# Altium PCB 20门锁控.PcbDoc (continued)
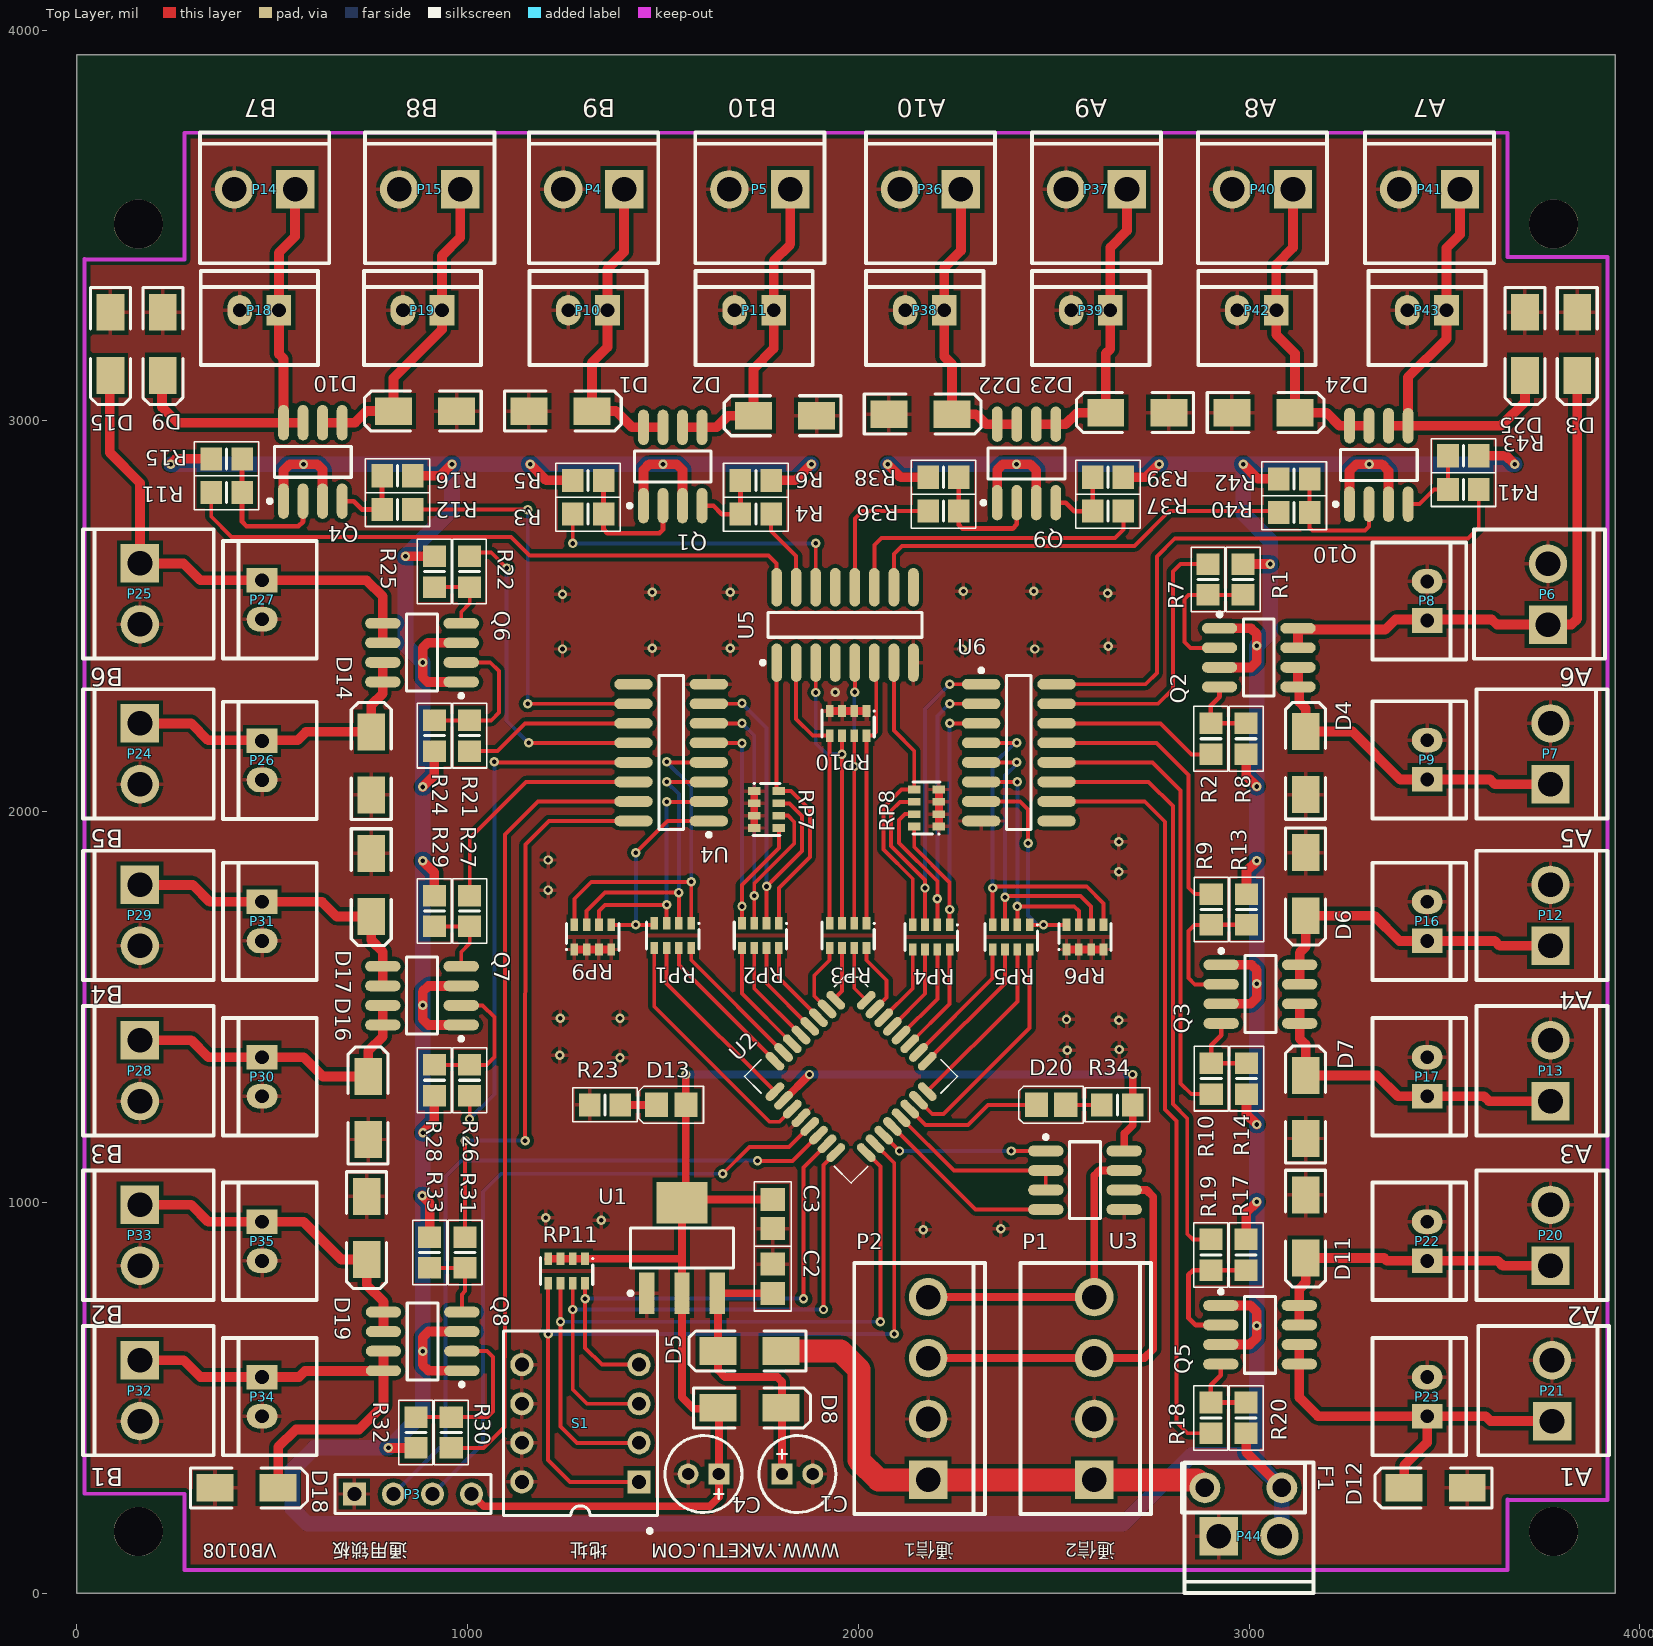
[diagram p0: Top Layer view]
## Nets (pads, with @x,y where several pads share a name; then routed paths per layer and width w, separated by ;. In a path a pad name is that pad's centre, name@x,y a point inside that pad or via, vN(x,y) a via of type N, cw(c..) or ccw(c..) an arc to the next point about the centre after c; other vN are vias at no path point)
+12V: D5.1 F1.1 P1.1 P2.1 | length 1365.9
  Top Layer w59.06: D5.1 1954.21,619.72 2001.46,572.48 2001.46,340.2 2051.85,289.8 P2.1 P1.1 2866.81,289.8 F1.1
+12V_OUT: F1.2 P44.2 Q1.1 Q1.3 Q2.1 Q2.3 Q3.1 Q3.3 Q4.1 Q4.3 Q5.1 Q5.3 Q6.1 Q6.3 Q7.1 Q7.3 Q8.1 Q8.3 Q9.1 Q9.3 Q10.1 Q10.3 R5.2 R6.2 R7.2 R8.2 R13.2 R14.2 R15.2 R16.2 R19.2 R20.2 R24.2 R25.2 R28.2 R29.2 R32.2 R33.2 R38.2 R39.2 R42.2 R43.2 | length 16498.2
  Top Layer w25: v1(240,2889.37) 253.82,2903.19 R15.2 ; Q4.1 528.82,2873.19 545,2889.37 615,2889.37 628.82,2875.55 Q4.3 ; v1(797.32,371.69) R32.2 ; v1(841,2653.74) R25.2 ; R16.2 930.51,2859.88 v1(960,2889.37) ; v1(884,1017.37) 903.03,998.34 R33.2 ; v1(885,1874.37) 914.84,1844.53 R29.2 ; v1(885,2063.37) 914.84,2093.21 R24.2 ; v1(886,1178.37) 914.84,1207.21 R28.2 ; Q7.1 900.2,1454.17 885,1469.37 885,1539.37 899.8,1554.17 Q7.3 ; Q6.1 897.24,2332.13 885,2344.37 v1(885,2381.87) 885,2419.37 897.76,2432.13 Q6.3 ; Q8.1 900,569.37 885,584.37 v1(885,619.37) 885,654.37 900,669.37 Q8.3 ; v1(1160,2889.37) 1201.3,2848.07 R5.2 ; Q1.1 1450.08,2874.45 1465,2889.37 1535,2889.37 1550.08,2874.29 Q1.3 ; R6.2 1838.7,2848.07 v1(1880,2889.37) ; v1(2075,2889.37) 2108.43,2855.94 R38.2 ; Q9.1 2355.59,2874.96 2370,2889.37 2440,2889.37 2455.59,2873.78 Q9.3 ; R39.2 2736.58,2855.94 v1(2770,2889.37) ; Q2.3 3005,2369.37 3020,2384.37 v1(3020,2424.37) 3020,2454.37 3005,2469.37 Q2.1 ; Q5.3 3001.72,636.09 3020,654.37 v1(3020,684.37) 3020,719.37 3003.28,736.09 Q5.1 ; Q3.3 3003.8,1508.17 3020,1524.37 3020,1594.37 3006.2,1608.17 Q3.1 ; R7.2 v1(3054.37,2633.74) ; v1(2985,2889.37) 3022.36,2852.01 R42.2 ; R20.2 2992.83,360.64 F1.2 ; R19.2 2992.83,974.2 v1(3020,1001.37) ; R8.2 2992.83,2091.54 v1(3020,2064.37) ; R14.2 2993.83,1225.54 v1(3020,1199.37) ; R13.2 2993.83,1848.2 v1(3020,1874.37) ; Q10.1 3257.17,2871.54 3275,2889.37 3340,2889.37 3357.17,2872.2 Q10.3 ; R43.2 3658.31,2911.06 v1(3680,2889.37)
  Bottom Layer w40: v1(240,2889.37) v1(580,2889.37) v1(960,2889.37) ; v1(1880,2889.37) v1(1500,2889.37) v1(1160,2889.37) v1(960,2889.37) ; v1(2075,2889.37) v1(2405,2889.37) v1(2985,2889.37) ; P44.2 3084.13,151.85 F1.2 3020,333.46 ; v1(3680,2889.37) v1(3307.5,2889.37) v1(2985,2889.37) ; v1(960,2889.37) 960,2772.74 v1(841,2653.74) 841,2425.87 v1(885,2381.87) v1(885,2063.37) v1(885,1874.37) v1(885,1504.37) v1(885,619.37) 885,459.37 v1(797.32,371.69) 607.91,371.69 551.18,314.96 551.18,216.54 590.55,177.17 2677.17,177.17 2854.33,354.33 2999.13,354.33 3020,333.46 ; v1(2985,2889.37) 2985,2763.03 3054.37,2693.66 v1(3054.37,2633.74) 3054.37,2458.74 v1(3020,2424.37) v1(3020,2064.37) v1(3020,1874.37) v1(3020,1559.37) v1(3020,1199.37) v1(3020,684.37) 3020,333.46
A: P1.3 P2.3 U3.6 | length 1057.4
  Top Layer w20: P2.3 P1.3 2732.24,601.61 2755,624.37 2755,1014.37 2737.64,1031.73 U3.6
ADDR1: RP11.5 S1.1 U2.18 | length 2101.6
  Top Layer w10: RP11.5 v1(1206.18,663.03) 1206.18,340.2 1261.69,284.69 S1.1 ; U2.18 2092.01,1100.5 v1(2092.01,663.03)
  Bottom Layer w10: v1(1206.18,663.03) v1(2092.01,663.03)
ADDR2: RP11.6 S1.2 U2.17 | length 1851.8
  Top Layer w10: RP11.6 v1(1237.68,694.53) 1237.68,426.81 1279.8,384.69 S1.2 ; U2.17 2056.58,1091.39 v1(2056.58,694.53)
  Bottom Layer w10: v1(1237.68,694.53) v1(2056.58,694.53)
ADDR3: RP11.7 S1.3 U2.16 | length 1512.9
  Top Layer w10: RP11.7 v1(1269.17,726.02) 1269.17,521.3 1305.79,484.69 S1.3 ; v1(1910.91,726.02) 1910.91,1096.12 U2.16
  Bottom Layer w10: v1(1269.17,726.02) v1(1910.91,726.02)
ADDR4: RP11.8 S1.4 U2.15 | length 1301.7
  Top Layer w10: RP11.8 v1(1300.67,753.58) 1300.67,627.6 1343.58,584.69 S1.4 ; v1(1859.72,753.58) 1859.72,1089.48 U2.15
  Bottom Layer w10: v1(1300.67,753.58) v1(1859.72,753.58)
B: P1.4 P2.4 U3.7 | length 818.5
  Top Layer w20: P2.4 P1.4 2603.82,1068.54 2617.01,1081.73 U3.7
GND: C1.2 C2.1 C3.2 C4.2 D1.1 D2.1 D3.1 D4.1 D6.1 D7.1 D9.1 D10.1 D11.1 D12.1 D14.1 D15.1 D16.1 D17.1 D18.1 D19.1 D22.1 D23.1 D24.1 D25.1 P1.2 P2.2 P3.1 P4.2 P5.2 P6.2 P7.2 P8.2 P9.2 P10.2 P11.2 P12.2 P13.2 P14.2 P15.2 P16.2 P17.2 P18.2 P19.2 P20.2 P21.2 P22.2 P23.2 P24.2 P25.2 P26.2 P27.2 P28.2 P29.2 P30.2 P31.2 P32.2 P33.2 P34.2 P35.2 P36.2 P37.2 P38.2 P39.2 P40.2 P41.2 P42.2 P43.2 P44.1 R23.1 RP6.1 RP6.2 RP6.3 RP6.4 RP7.1 RP7.2 RP7.3 RP7.4 RP8.1 RP8.2 RP8.3 RP8.4 RP9.1 RP9.2 RP9.3 RP9.4 RP10.1 RP10.2 RP10.3 RP10.4 S1.5 S1.6 S1.7 S1.8 U1.1 U2.12 U3.5 U4.8 U5.8 U6.8 | length 480.3
  Top Layer w10: U2.12@1853.32,1208.68 U2.12
  Top Layer w20: RP9.1 RP9.2 RP9.3 RP9.4 ; RP7.4 RP7.3 RP7.2 RP7.1 ; RP10.4 RP10.3 RP10.2 RP10.1@2020.98,2257.52 ; RP8.1 RP8.2 RP8.3 RP8.4 ; RP6.1 RP6.2 RP6.3 RP6.4
  other v1: 2166,930.37 2365,932.37 1342,954.37 1200,960.37 1390,1370.37 1236,1376.37 2535,1389.37 2668,1391.37 2667,1466.37 2533,1468.37 1237,1471.37 1390,1471.37 1206,1799.37 2667,1846.37 1206,1876.37 2667,1923.37 1941,2305.37 1243,2416.37 2266,2416.37 2452,2416.37 1473,2418.37 1672,2418.37 2640,2423.37 1243,2556.37 2638,2559.37 1473,2561.37 1672,2561.37 2269,2564.37 2449,2564.37
LC1: RP3.6 U2.1 | length 140.4
  Top Layer w10: U2.1 1942.4,1525.24 1958.15,1540.98 RP3.6
LC2: RP3.5 U2.2 | length 186
  Top Layer w10: U2.2 1887.28,1527.94 1887.28,1580.35 1926.65,1619.72 RP3.5
LC3: RP2.8 U2.3 | length 220.3
  Top Layer w10: RP2.8 1796.73,1573.95 U2.3
LC4: RP2.7 U2.4 | length 246.4
  Top Layer w10: RP2.7 1765.24,1560.9 U2.4
LC5: RP2.6 U2.5 | length 272.5
  Top Layer w10: RP2.6 1733.74,1547.85 U2.5
LC6: RP2.5 U2.6 | length 298.6
  Top Layer w10: RP2.5 1702.24,1534.81 U2.6
LC7: RP1.8 U2.7 | length 365.4
  Top Layer w10: RP1.8 1572.32,1620.19 U2.7
LC8: RP1.7 U2.8 | length 391.5
  Top Layer w10: RP1.7 1540.83,1607.14 U2.8
LC9: RP1.6 U2.9 | length 482.5
  Top Layer w10: RP1.6 1509.33,1560.69 U2.9
LC10: RP1.5 U2.11 | length 638.6
  Top Layer w10: RP1.5 1477.84,1501.61 1773.11,1206.34 1798.41,1206.34 U2.11
LC11: RP3.7 U2.32 | length 146.6
  Top Layer w10: RP3.7 1989.65,1548.07 U2.32
LC12: RP3.8 U2.31 | length 189.6
  Top Layer w10: RP3.8 2021.14,1619.72 2072.32,1568.54 2072.32,1524.79 U2.31
LC13: RP4.5 U2.30 | length 205.3
  Top Layer w10: U2.30 2139.25,1547.18 RP4.5
LC14: RP4.6 U2.29 | length 231.4
  Top Layer w10: U2.29 2170.75,1534.13 RP4.6
LC15: RP4.7 U2.28 | length 257.4
  Top Layer w10: U2.28 2202.24,1521.09 RP4.7
LC16: RP4.8 U2.27 | length 283.5
  Top Layer w10: U2.27 2233.74,1508.04 RP4.8
LC17: RP5.5 U2.26 | length 342.2
  Top Layer w10: U2.26 2343.98,1573.74 RP5.5
LC18: RP5.6 U2.25 | length 368.3
  Top Layer w10: U2.25 2375.47,1560.69 RP5.6
LC19: RP5.7 U2.24 | length 459.3
  Top Layer w10: U2.24 2406.97,1514.24 RP5.7
LC20: RP5.8 U2.23 | length 591.2
  Top Layer w10: U2.23 2189.2,1226.02 2217.99,1226.02 2438.47,1446.5 RP5.8
LC_DRV1: R3.1 U5.14 | length 836.6
  Top Layer w10: v1(1269.17,2686.65) R3.1 ; U5.14@1891.02,2546.89 v1(1891.02,2686.85)
  Bottom Layer w10: v1@1269.17,2686.85 v1(1891.02,2686.85)
LC_DRV2: R4.1 U5.15 | length 241.1
  Top Layer w10: R4.1 1777.05,2718.15 1841.02,2654.17 U5.15@1841.02,2546.89
LC_DRV3: R11.1 U5.16 | length 1618.9
  Top Layer w10: R11.1 343.98,2755.39 396,2703.37 1111,2703.37 1158.5,2655.87 1770.5,2655.87 1791.02,2635.35 U5.16
LC_DRV4: R12.1 U4.10 | length 1061.8
  Top Layer w10: R12.1 v1(1153.9,2773.27) ; v1@1154,2276.22 U4.10
  Bottom Layer w10: v1(1153.9,2276.37) v1(1153.9,2773.27)
LC_DRV5: R21.1 U4.11 | length 448.7
  Top Layer w10: R21.1 1076.26,2155.16 1147.32,2226.22 U4.11
LC_DRV6: R22.1 U4.12 | length 849.9
  Top Layer w10: R22.1@1005.39,2663.03 1060.51,2663.03 v1(1099.88,2623.66) ; v1(1156.38,2176.22) U4.12
  Bottom Layer w10: v1(1099.88,2623.66) 1099.88,2232.72 v1(1156.38,2176.22)
LC_DRV7: R26.1 U4.13 | length 1357.4
  Top Layer w10: v1(1005,1213.37) 1005.39,1213.76 R26.1 ; v1(1068.39,2127.6) 1069.76,2126.22 U4.13
  Bottom Layer w10: v1(1005,1213.37) 1068.39,1276.76 v1(1068.39,2127.6)
LC_DRV8: R27.1 U4.14 | length 625.8
  Top Layer w10: R27.1 1005.39,1931.76 1149.85,2076.22 U4.14
LC_DRV9: R30.1 U4.15 | length 2039.6
  Top Layer w10: R30.1 1040.83,371.69 1094.33,425.2 1094.33,603.13 1095.39,604.18 1095.39,1941.76 1179.85,2026.22 U4.15
LC_DRV10: R31.1 U4.16 | length 1460
  Top Layer w10: R31.1 v1(993.58,1157.99) ; v1(1147.13,1157.99) 1148.13,1916 1208.35,1976.22 U4.16
  Bottom Layer w10: v1(993.58,1157.99) v1(1147.13,1157.99)
LC_DRV11: R36.1 U5.12 | length 398.9
  Top Layer w10: U5.12@1991.02,2546.89 U5.12 1991.02,2750.39 2009.96,2769.33 R36.1
LC_DRV12: R37.1 U5.11 | length 836.8
  Top Layer w10: U5.11@2041.02,2546.89 U5.11 2041.02,2682.39 2059,2700.37 2656.91,2700.37 2678.62,2722.09 R37.1
LC_DRV13: R40.1 U5.10 | length 1144.9
  Top Layer w10: U5.10@2091.02,2546.89 2091.02,2659.39 2112,2680.37 2707,2680.37 2795.96,2769.33 R40.1@3072.32,2769.33
  Top Layer w20: R40.1@3072.32,2769.33 R40.1
LC_DRV14: R41.1 U6.16 | length 1518.5
  Top Layer w10: U6.16 2734.85,2326.22 2764,2355.37 2764,2653.37 2810,2699.37 3560,2699.37 3588.07,2727.44 R41.1
LC_DRV15: R1.1 U6.15 | length 711.5
  Top Layer w10: U6.15 2766.85,2276.22 2805,2314.37 2805,2614.37 2824.37,2633.74 R1.1
LC_DRV16: R2.1 U6.14 | length 428.5
  Top Layer w10: U6.14 2773.15,2226.22 2853.15,2146.22 2901.21,2146.22 R2.1
LC_DRV17: R9.1 U6.13 | length 725.6
  Top Layer w10: U6.13 2763.15,2176.22 2845,2094.37 2845,1805.37 2861.29,1789.08 R9.1
LC_DRV18: R10.1 U6.12 | length 1186.9
  Top Layer w10: U6.12 2753.15,2126.22 2825,2054.37 2825,1304.37 2852.1,1277.27 R10.1
LC_DRV19: R17.1 U6.11 | length 1499.7
  Top Layer w10: U6.11 2743.15,2076.22 2805,2014.37 2805,1251.37 2842,1214.37 2842,919.37 2856.18,905.19 R17.1
LC_DRV20: R18.1 U6.10 | length 1947.7
  Top Layer w10: U6.10 2733.15,2026.22 2785,1974.37 2785,1237.37 2814,1208.37 2814,438.13 2843,409.13 R18.1
LED1: D20.2 U2.22 | length 362.5
  Top Layer w10: U2.22 2172.22,1198.46 2280.98,1198.46 2332.17,1249.65 D20.2
NetC1_1: C1.1 C2.2 D5.2 D8.2 U1.3 | length 751.2
  Top Layer w20: C2.2 U1.3 1641.22,765.39 D5.2 1641.22,570.51 1658.94,552.8 1792.8,552.8 1804.61,540.98 C1.1
NetD1_2: D1.2 P4.1 P10.1 Q1.7 Q1.8 | length 800.4
  Top Layer w25: P4.1 1400.59,3432.24 1357.99,3389.65 1357.99,3292.95 1357.99,3188.86 1318.39,3149.25 D1.2 1379.41,3025.24 1420.75,2983.9 Q1.8 Q1.7
NetD2_2: D2.2 P5.1 P11.1 Q1.5 Q1.6 | length 812.3
  Top Layer w25: Q1.6 Q1.5 1637.28,2983.9 1666.81,3013.43 D2.2 1731.77,3133.5 1783.39,3185.12 1783.39,3292.95 1783.39,3409.53 1825.98,3452.13 P5.1
NetD3_2: D3.2 P6.1 P8.1 Q2.7 Q2.8 | length 1407
  Top Layer w25: Q2.7 3125.39,2466.11 3348.95,2466.11 3375,2492.17 3469.96,2492.17 3621.14,2492.17 3634.53,2478.78 P6.1 3825.08,2478.78 3840.04,2493.74 D3.2
NetD4_2: D4.2 P7.1 P9.1 Q2.5 Q2.6 | length 855
  Top Layer w25: Q2.5 3125.39,2366.11 Q2.6@3128.65,2369.37 ; Q2.5@3128.65,2319.37 3128.65,2280.72 3145,2264.37 D4.2 3264.53,2205.08 3386.89,2082.72 3469.96,2082.72 3617.21,2082.72 3629.8,2070.12 P7.1
NetD6_2: D6.2 P12.1 P16.1 Q3.7 Q3.8 | length 840.4
  Top Layer w25: Q3.7 Q3.8 3129.65,1639.02 3145,1654.37 D6.2 3320.59,1733.66 3384.92,1669.33 3469.96,1669.33 3629.02,1669.33 3641.61,1656.73 P12.1
NetD7_2: D7.2 P13.1 P17.1 Q3.5 Q3.6 | length 843.4
  Top Layer w25: Q3.6 Q3.5 3129.65,1419.72 3145,1404.37 D7.2 3327.6,1325.08 3380.98,1271.69 3469.96,1271.69 3601.46,1271.69 3614.06,1259.09 P13.1
NetD9_2: D9.2 P14.1 P18.1 Q4.7 Q4.8 | length 1190.3
  Top Layer w25: D9.2@217.99,3116.81 217.99,3035.38 257.66,2995.71 Q4.8 ; P18.1@517.21,3283.37 517.21,3170.91 ; P14.1 558.47,3472.01 517.21,3430.75 517,3430.54 P18.1 517,3171.11 517.21,3170.91 ; Q4.7 Q4.8 ; 517.21,3170.91 528.82,3159.29 Q4.8
NetD10_2: D10.2 P15.1 P19.1 Q4.5 Q4.6 | length 832.1
  Top Layer w25: Q4.6 Q4.5 712.09,2995.71 741.61,3025.24 D10.2 810.51,3109.88 934.53,3233.9 934.53,3292.95 934.53,3422.87 980.98,3469.33 P15.1
NetD11_2: D11.2 P20.1 P22.1 Q5.7 Q5.8 | length 813.6
  Top Layer w25: Q5.7 Q5.8 3128.65,778.02 3145,794.37 D11.2 3345.95,857.91 3353.43,850.43 3469.96,850.43 3636.89,850.43 3649.49,837.83 P20.1
NetD12_2: D12.2 P21.1 P23.1 Q5.5 Q5.6 | length 997.3
  Top Layer w25: Q5.6 Q5.5 3128.65,500.72 3176.58,452.8 P23.1 3456,385.37 3397.13,326.5 D12.2 ; P23.1@3473.9,452.8 3605.39,452.8 3617.99,440.2 P21.1
NetD13_2: D13.2 R23.2 | length 92.5
  Top Layer w20: R23.2 D13.2
NetD14_2: D14.2 P24.1 P26.1 Q6.7 Q6.8 | length 808.9
  Top Layer w25: P24.1 292.8,2226.02 336.1,2182.72 462.09,2182.72 564.45,2182.72 586.1,2204.37 D14.2 753.43,2273.27 782.95,2302.8 Q6.8 Q6.7
NetD15_2: D15.2 P25.1 P27.1 Q6.5 Q6.6 | length 1288.5
  Top Layer w25: D15.2@84.13,3116.81 84.13,2918.94 161.73,2841.34 161.73,2635.47 273.11,2635.47 316.42,2592.17 462.09,2592.17 741.61,2592.17 782.95,2550.83 Q6.5 Q6.6
NetD16_2: D16.2 P28.1 P30.1 Q7.7 Q7.8 | length 815.4
  Top Layer w25: P28.1@165.67,1415 292.8,1415 336.1,1371.69 466.02,1371.69 580.2,1371.69 629.41,1322.48 D16.2 745.55,1387.44 782.95,1424.84 Q7.8 Q7.7
NetD17_2: D17.2 P29.1 P31.1 Q7.5 Q7.6 | length 811.2
  Top Layer w25: P29.1@165.67,1812.64 296.73,1812.64 340.04,1769.33 462.09,1769.33 627.44,1769.33 664.84,1731.93 D17.2 753.43,1670.91 782.95,1641.38 Q7.5 Q7.6
NetD18_2: D18.2 P32.1 P34.1 Q8.7 Q8.8 | length 1186
  Top Layer w25: P32.1@165.67,596.1 273.11,596.1 316.42,552.8 568.39,552.8 583.94,568.35 Q8.8@771.14,568.35 ; D18.2 515.24,373.66 560.51,418.94 721.93,418.94 784.61,481.61 Q8.8 Q8.7
NetD19_2: D19.2 P33.1 P35.1 Q8.5 Q8.6 | length 840.5
  Top Layer w25: P33.1 292.8,993.74 336.1,950.43 580.2,950.43 676.65,853.98 D19.2 741.61,789.02 784.61,746.02 Q8.5 Q8.6
NetD20_1: D20.1 R34.1 | length 92.5
  Top Layer w10: D20.1 R34.1
NetD22_2: D22.2 P36.1 P38.1 Q9.7 Q9.8 | length 777.8
  Top Layer w25: P36.1 2262.6,3435.98 2220,3393.39 2220,3292.95 2220,3164.96 2239.65,3145.32 D22.2 2300.67,3017.36 2326.26,2991.77 Q9.8 Q9.7
NetD23_2: D23.2 P37.1 P39.1 Q9.5 Q9.6 | length 784
  Top Layer w25: Q9.6 Q9.5 2530.98,2991.77 2560.51,3021.3 D23.2 2633.35,3172.87 2645,3184.53 2645,3292.95 2645,3444.37 2687.6,3486.97 P37.1
NetD24_2: D24.2 P40.1 P42.1 Q10.7 Q10.8 | length 812.3
  Top Layer w25: P40.1 3112.6,3443.46 3070,3400.87 3070,3292.95 3070,3220.47 3117.6,3172.87 D24.2 3198.31,3021.3 3231.77,2987.83 Q10.8 Q10.7
NetD25_2: D25.2 P41.1 P43.1 Q10.5 Q10.6 | length 1102.4
  Top Layer w25: Q10.6 Q10.5 ; P41.1 3540.04,3477.2 3505.39,3442.56 3505.39,3210.28 3407.17,3112.05 Q10.5 ; D25.2 3706.18,3048.55 3645.47,2987.83 Q10.5
NetQ1_2: Q1.2 R3.2 R5.1 | length 347.4
  Top Layer w12: R5.1 R3.2 1347.91,2722.46 1358,2712.37 1491,2712.37 1500.08,2721.45 Q1.2
NetQ1_4: Q1.4 R4.2 R6.1 | length 193.8
  Top Layer w12: Q1.4 1629.41,2783.11 1651.06,2761.46 R4.2 R6.1
NetQ2_2: Q2.2 R1.2 R7.1 | length 360.2
  Top Layer w10: Q2.2 2850,2419.37 2835,2434.37 2835,2544.37 2845,2554.37 2894.37,2554.37 R1.2 R7.1
NetQ2_4: Q2.4 R2.2 R8.1 | length 193.1
  Top Layer w12: Q2.4 2924.61,2293.98 2902.28,2271.65 R2.2 R8.1
NetQ3_2: Q3.2 R9.2 R13.1 | length 366
  Top Layer w10: R9.2 2860.97,1710.34 2845,1694.37 2845,1574.37 2861.2,1558.17 Q3.2
  Top Layer w12: R9.2 R13.1
NetQ3_4: Q3.4 R10.2 R14.1 | length 203.3
  Top Layer w12: Q3.4 2928.87,1428.24 2903.28,1402.65 R10.2 R14.1
NetQ4_2: Q4.2 R11.2 R15.1 | length 379.9
  Top Layer w12: R15.1 R11.2 422.72,2741.77 434.12,2730.37 567,2730.37 578.82,2742.19 Q4.2
NetQ4_4: Q4.4 R12.2 R16.1 | length 197.7
  Top Layer w12: Q4.4 708.15,2794.92 729.8,2773.27 R12.2 R16.1
NetQ5_2: Q5.2 R17.2 R19.1 | length 381.1
  Top Layer w10: R17.2@2883.35,804.76 R17.2@2903.03,824.45
  Top Layer w12: Q5.2 2863.28,686.09 2845,704.37 2845,814.37 2857.08,826.45 R17.2 R19.1
NetQ5_4: Q5.4 R18.2 R20.1 | length 199.4
  Top Layer w12: Q5.4 2927.87,557.24 2902.28,531.65 R18.2 R20.1
NetQ6_2: Q6.2 R21.2 R24.1 | length 385.5
  Top Layer w10: R24.1 R21.2 1060.51,2233.9 1080.2,2253.58 1080.2,2359.88 1057.95,2382.13 Q6.2
NetQ6_4: Q6.4 R22.2 R25.1 | length 192.2
  Top Layer w10: R25.1 R22.2 1005.39,2575 1005.39,2532.76 983.74,2511.11 Q6.4
NetQ7_2: Q7.2 R26.2 R28.1 | length 361.2
  Top Layer w10: R28.1 R26.2 1048.7,1352.01 1068.39,1371.69 1068.39,1474.06 1038.27,1504.17 Q7.2
NetQ7_4: Q7.4 R27.2 R29.1 | length 201.7
  Top Layer w10: R29.1 R27.2 1005.39,1663.03 983.74,1641.38 Q7.4
NetQ8_2: Q8.2 R30.2 R32.1 | length 442.5
  Top Layer w10: R32.1 R30.2 1051.06,450.43 1065,464.37 1065,604.37 1050,619.37 Q8.2 ; Q8.2@971.93,618.35 Q8.2@985.39,618.35
NetQ8_4: Q8.4 R31.2 R33.1 | length 206.9
  Top Layer w10: R33.1 R31.2 993.58,772.95 985.39,764.76 Q8.4
NetQ9_2: Q9.2 R36.2 R38.1 | length 334.1
  Top Layer w12: R38.1 R36.2 2257.36,2734.01 2266.73,2724.65 2394.87,2724.65 2405.59,2735.37 Q9.2
NetQ9_4: Q9.4 R37.2 R39.1 | length 189.9
  Top Layer w12: Q9.4 2530.98,2790.98 2552.64,2769.33 R37.2 R39.1
NetQ10_2: Q10.2 R40.2 R42.1 | length 342.4
  Top Layer w10: R42.1 R40.2 3155,2726.37 3162,2719.37 3297,2719.37 3307.17,2729.54 Q10.2
NetQ10_4: Q10.4 R41.2 R43.1 | length 204.3
  Top Layer w10: Q10.4 3436.5,2787.05 3473.9,2824.45 R41.2 R43.1
NetRP1_1: RP1.1 RP9.8 U4.4 | length 930.4
  Top Layer w10: RP9.8 1273.11,1777.2 1316.42,1820.51 v1(1572.32,1820.51) RP1.1 ; v1@1510.71,2126.22 U4.4
  Bottom Layer w10: v1(1509.33,2127.6) 1572.32,2064.61 v1(1572.32,1820.51)
NetRP1_2: RP1.2 RP9.7 U4.3 | length 774.5
  Top Layer w10: RP9.7 1304.61,1745.71 1351.85,1792.95 v1(1540.83,1792.95) RP1.2 ; v1@1509.53,2076.22 U4.3
  Bottom Layer w10: v1(1509.33,2076.42) 1540.83,2044.92 v1(1540.83,1792.95)
NetRP1_3: RP1.3 RP9.6 U4.2 | length 634.9
  Top Layer w10: RP9.6 1336.1,1745.71 1351.85,1761.46 v1(1509.33,1761.46) RP1.3 ; v1(1509.33,2025.24) 1616.61,2025.24 U4.2
  Bottom Layer w10: v1(1509.33,1761.46) v1(1509.33,2025.24)
NetRP1_4: RP1.4 RP9.5 U4.1 | length 511.9
  Top Layer w10: RP9.5 v1(1430.59,1710.28) RP1.4@1473.9,1710.28 ; v1(1430.59,1895.32) 1511.5,1976.22 U4.1
  Bottom Layer w10: v1(1430.59,1710.28) v1(1430.59,1895.32)
NetRP2_1: RP2.1 RP7.8 U5.1 | length 753.9
  Top Layer w10: U5.1 1791.02,2058.5 RP7.8 1828.23,2052.8 1876.1,2004.92 1876.1,1884.13 1796.73,1804.76 RP2.1
NetRP2_2: RP2.2 RP7.7 U4.7 | length 963.7
  Top Layer w10: U4.7 v1@1701.26,2276.22 ; RP2.2 v1(1765.24,1808.7) 1856.1,1899.57 1856.1,1989.49 1824.29,2021.3 RP7.7
  Bottom Layer w10: v1(1702.24,2277.2) 1765.24,2214.21 v1(1765.24,1808.7)
NetRP2_3: RP2.3 RP7.6 U4.6 | length 886.6
  Top Layer w10: U4.6 v1@1702.05,2226.22 ; RP2.3 v1(1733.74,1785.08) 1733.74,1815.85 1836.1,1918.21 1836.1,1974.06 1820.35,1989.8 RP7.6
  Bottom Layer w10: v1(1702.24,2226.02) 1733.74,2194.53 v1(1733.74,1785.08)
NetRP2_4: RP2.4 RP7.5 U4.5 | length 783.8
  Top Layer w10: U4.5 v1@1700.87,2176.22 ; RP2.4 v1(1702.24,1757.52) 1702.24,1812.64 1796.73,1907.13 RP7.5
  Bottom Layer w10: v1(1702.24,1757.52) v1(1702.24,2174.84)
NetRP3_1: RP3.1 RP10.8 U5.6 | length 688.9
  Top Layer w10: RP3.1 RP10.8 2036.89,2194.53 2045.98,2203.62 2045.98,2376.57 U5.6
NetRP3_2: RP3.2 RP10.7 U5.5 | length 746.6
  Top Layer w10: RP3.2 RP10.7 ; v1(1991.02,2306.14) U5.5
  Bottom Layer w10: v1(1989.65,2115.79) 1989.65,2304.76 v1(1991.02,2306.14)
NetRP3_3: RP3.3 RP10.6 U5.3 | length 765.4
  Top Layer w10: v1(1891.02,2304.96) U5.3 ; RP3.3 v1(1958.15,2147.28) RP10.6
  Bottom Layer w10: v1(1891.02,2304.96) 1891.02,2175.04 1918.78,2147.28 v1(1958.15,2147.28)
NetRP3_4: RP3.4 RP10.5 U5.2 | length 728.2
  Top Layer w10: U5.2 1841.02,2236.85 1883.35,2194.53 RP10.5 RP3.4
NetRP4_1: RP4.1 RP8.8 U6.3 | length 846.8
  Top Layer w10: RP8.8 2143.19,1909.3 2233.74,1818.75 v1(2233.74,1749.65) RP4.1 ; v1(2233.74,2226.22) U6.3
  Bottom Layer w10: v1(2233.74,1749.65) v1(2233.74,2226.22)
NetRP4_2: RP4.2 RP8.7 U6.2 | length 946.9
  Top Layer w10: RP8.7 2119.57,1993.74 2104.13,1978.31 2104.13,1920.07 2202.24,1821.96 v1(2202.24,1777.2) RP4.2 ; v1(2233.74,2276.22) U6.2
  Bottom Layer w10: v1(2202.24,1777.2) 2202.24,2244.72 v1(2233.74,2276.22)
NetRP4_3: RP4.3 RP8.6 U6.1 | length 1024.7
  Top Layer w10: RP8.6 2107.03,2025.24 2084.13,2002.34 2084.13,1911.79 2170.75,1825.17 RP4.3 ; v1(2233.74,2326.22) U6.1
  Bottom Layer w10: v1(2170.75,1804.76) 2170.75,2263.23 v1(2233.74,2326.22)
NetRP4_4: RP4.4 RP8.5 U5.7 | length 776
  Top Layer w10: U5.7 2091.02,2207.32 2143.19,2155.16 RP8.5 2110.24,2056.73 2064.13,2010.62 2064.13,1903.5 2139.25,1828.39 RP4.4
NetRP5_1: RP5.1 RP6.8 U6.7 | length 543.9
  Top Layer w10: U6.7 2413.86,2026.22 2434.53,2005.55 v1(2434.53,1918.94) ; RP5.1 v1(2473.9,1710.28) RP6.8
  Bottom Layer w10: v1(2434.53,1918.94) 2434.53,1733.9 2458.15,1710.28 v1(2473.9,1710.28)
NetRP5_2: RP5.2 RP6.7 U6.6 | length 656.3
  Top Layer w10: U6.6 v1(2406.77,2076.22) ; RP5.2 v1(2406.97,1757.52) 2552.64,1757.52 2564.45,1745.71 RP6.7
  Bottom Layer w10: v1(2406.97,1757.52) v1@2406.97,2076.42
NetRP5_3: RP5.3 RP6.6 U6.5 | length 799.9
  Top Layer w10: U6.5 v1(2405.59,2126.22) ; RP5.3 v1(2375.47,1781.14) 2378.85,1784.52 2568.95,1784.52 2595.95,1757.52 RP6.6
  Bottom Layer w10: v1(2375.47,1781.14) 2375.47,2092.17 2405.59,2122.28 v1(2405.59,2126.22)
NetRP5_4: RP5.4 RP6.5 U6.4 | length 943.3
  Top Layer w10: U6.4 v1(2405.59,2176.22) ; RP5.4 v1(2343.98,1804.76) 2347.35,1808.14 2584.69,1808.14 2627.44,1765.39 RP6.5
  Bottom Layer w10: v1(2343.98,1804.76) 2343.98,2119.72 2400.47,2176.22 v1(2405.59,2176.22)
RS485: U2.21 U3.2 U3.3 | length 476.3
  Top Layer w10: U2.21 2244.41,1081.73 U3.2 U3.3
RXD: U2.19 U3.1 | length 431.5
  Top Layer w10: U2.19 v1(2105.52,1131.54) ; v1@2391.42,1131.73 U3.1
  Bottom Layer w10: v1(2105.52,1131.54) v1(2391.22,1131.54)
RXD2: P3.3 U2.13 | length 1733
  Top Layer w10: v1(1653,1073.37) 1721,1141.37 1822.53,1141.37 U2.13
  Bottom Layer w10: P3.3 1039,382.46 1039,1027.37 1085,1073.37 v1(1653,1073.37)
TXD: U2.20 U3.4 | length 480.7
  Top Layer w10: U2.20 2299.86,981.73 U3.4
TXD2: P3.2 U2.14 | length 1866.9
  Top Layer w10: v1(1742,1106.37) 1832.07,1106.37 U2.14
  Bottom Layer w10: P3.2 943,386.46 943,1066.37 984,1107.37 v1@1742,1107.37
VCC: C3.1 C4.1 D8.1 D13.1 P3.4 R34.2 RP11.1 RP11.2 RP11.3 RP11.4 U1.2 U1.4 U2.10 U3.8 | length 3827.1
  Top Layer w10: v1(2702,1327.37) v1@2702.24,1327.13
  Top Layer w20: P3.4 1041.61,222.09 1619.57,222.09 1643.19,245.71 C4.1 1643.19,472.09 1578.23,472.09 1548.7,501.61 U1.2 1548.7,855.94 ; RP11.4 RP11.3 RP11.2 RP11.1 1548.7,855.94 ; v1@1558.54,1326.42 D13.1 1558.54,1009.49 U1.4@1556.58,1007.52 ; C3.1 U1.4@1556.58,1007.52 ; U2.10 v1(1874.95,1327.42) ; U3.8 2680.59,1175.96 2702.24,1197.61 R34.2 v1@2702.24,1327.13 ; 1548.7,855.94 U1.4 U1.4@1556.58,1007.52
  Bottom Layer w20: v1(1558,1327.37) v1(2702,1327.37)
pads on no net: U4.9 U5.4 U5.9 U5.13 U6.9

## Polygon pours and split planes (outlines as drawn)
GND on Bottom Layer "Top Layer-No Net" (solid, remove dead copper, pour order 6): 0,3937.01 3937.01,3937.01 3937.01,0 0,0 0,3937.01
GND on Top Layer "Top Layer-No Net" (solid, remove dead copper, pour order 10): 0,3937.01 3937.01,3937.01 3937.01,0 0,0 0,3937.01

## Keep-outs
Keep-Out Layer:
  lines w10: 19.69,3413.66 275.59,3413.66 ; 19.69,3414.37 19.69,254.37 275.59,254.37 275.59,59.06 3661.42,59.06 3661.42,239.37 ; 275.59,3414.37 275.59,3737.83 3661.42,3737.83 3661.42,3419.37 3917.32,3419.37 3917.32,237.83 3661.42,237.83

## Silkscreen, mask and mechanical layers (free items; w line width, h text height)
Top Overlay:
  text "B7" at 511.81,3838.58 h80 r180
  text "B8" at 925.2,3838.58 h80 r180
  text "B9" at 1377.95,3838.58 h80 r180
  text "B10" at 1791.34,3838.58 h80 r180
  text "A10" at 2224.41,3838.58 h80 r180
  text "A9" at 2637.8,3838.58 h80 r180
  text "A8" at 3070.87,3838.58 h80 r180
  text "A7" at 3503.94,3838.58 h80 r180
  text "B6" at 118.11,2381.89 h80 r180
  text "A6" at 3877.95,2381.89 h80 r180
  text "B5" at 118.11,1968.5 h80 r180
  text "A5" at 3877.95,1968.5 h80 r180
  text "B4" at 118.11,1569.33 h80 r180
  text "A4" at 3877.95,1555.12 h80 r180
  text "B3" at 118.11,1161.42 h80 r180
  text "A3" at 3877.95,1161.42 h80 r180
  text "B2" at 118.11,750.43 h80 r180
  text "A2" at 3897.64,748.03 h80 r180
  text "B1" at 118.11,334.65 h80 r180
  text "A1" at 3877.95,334.65 h80 r180
  text "VB0108" at 511.81,137.8 h60 r180
  text "通用锁板" at 846.46,137.8 h60 r180
  text "地址" at 1358.27,137.8 h60 r180
  text "WWW.YAKETU.COM" at 1953,137.37 h60 r180
  text "通信1" at 2244.09,137.8 h60 r180
  text "通信2" at 2657.48,137.8 h60 r180
Mechanical 1:
  the board outline again, w6